# KiCad board RKD07_Assemble_BUILD.kicad_pcb (continued)
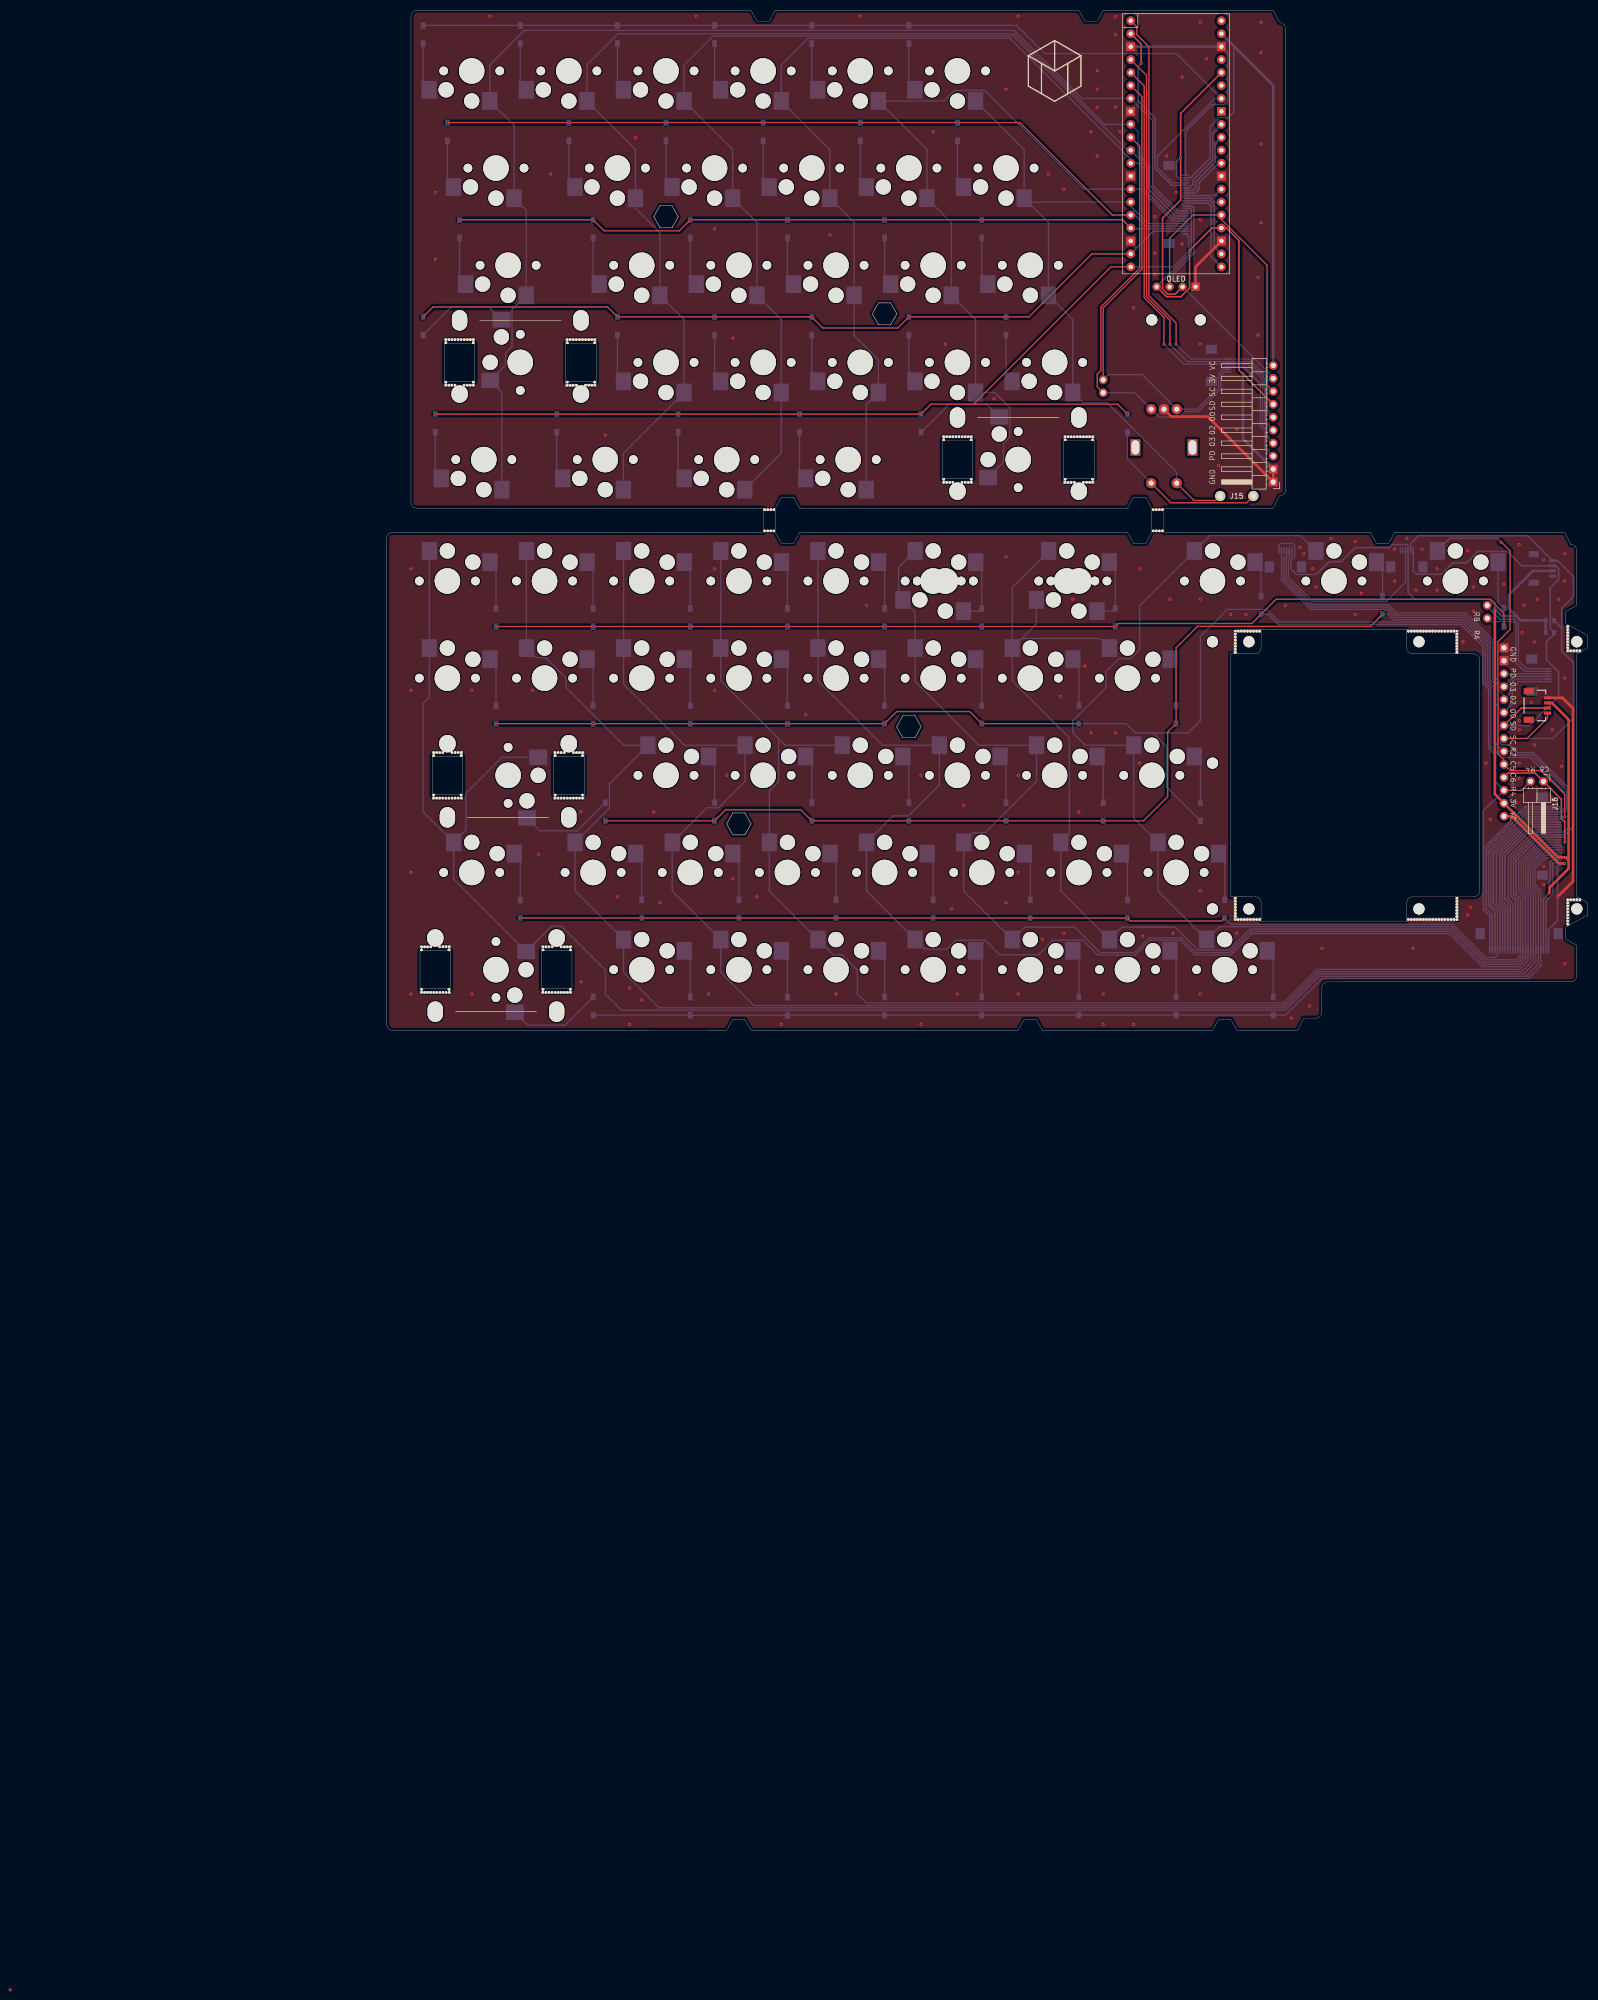
[diagram p0: board, top side]
## Footprints (pads in the part's own frame, mm; a bottom-side part is the same pattern mirrored in y, then rotated)
Diode_SMD
  rect 1.3x0.95 smd far side: 1(-1.775,0) 2(1.775,0)
Hirose_FH12-6S-0.5SH_1x06-1MP_P0.50mm_Horizontal
  rect 0.3x1.3 smd: 1(-1.25,1.85) 2(-0.75,1.85) 3(-0.25,1.85) 4(0.25,1.85) 5(0.75,1.85) 6(1.25,1.85)
  rect 1.8x2.2 smd: MP(-3.15,-1.4) MP(3.15,-1.4)
Hirose_FH12-24S-0.5SH_1x24-1MP_P0.50mm_Horizontal
  rect 0.3x1.3 smd: 1(-5.75,1.85) 2(-5.25,1.85) 3(-4.75,1.85) 4(-4.25,1.85) 5(-3.75,1.85) 6(-3.25,1.85) 7(-2.75,1.85) 8(-2.25,1.85) 9(-1.75,1.85) 10(-1.25,1.85) 11(-0.75,1.85) 12(-0.25,1.85) 13(0.25,1.85) 14(0.75,1.85) 15(1.25,1.85) 16(1.75,1.85) 17(2.25,1.85) 18(2.75,1.85) 19(3.25,1.85) 20(3.75,1.85) 21(4.25,1.85) 22(4.75,1.85) 23(5.25,1.85) 24(5.75,1.85)
  rect 1.8x2.2 smd: MP(-7.65,-1.4) MP(7.65,-1.4)
JST_SMD_1.0mm-4_Black
  rect 0.6x1.35 smd: 1(-1.5,0) 2(-0.5,0) 3(0.5,0) 4(1.5,0)
  rect 1.2x2 smd: NC1(2.8,-3.675) NC2(-2.8,-3.675)
m2_Screw_Hole
  round 2.2 hole 2.2 unplated: (0,0)
OLED_center_display
  round 1.62 hole 0.82: 1(-3.81,-18.5) 2(-1.27,-18.5) 3(1.27,-18.5)
  rect 1.62x1.62 hole 0.82: 4(3.81,-18.5)
PinHeader_1x02_P2.54mm_Horizontal
  round 1.7 hole 1: 1(0,0) 2(0,-2.54)
PinHeader_1x10_P2.54mm_Horizontal
  rect 1.7x1.7 hole 1: 1(0,0) 2(0,-2.54)
  round 1.7 hole 1: 3(0,-5.08) 4(0,-7.62) 5(0,-10.16) 6(0,-12.7) 7(0,-15.24) 8(0,-17.78) 9(0,-20.32) 10(0,-22.86)
PinHeader_1x14_P2.54mm_Horizontal
  rect 1.7x1.7 hole 1: 1(0,0) 2(0,-2.54)
  round 1.7 hole 1: 3(0,-5.08) 4(0,-7.62) 5(0,-10.16) 6(0,-12.7) 7(0,-15.24) 8(0,-17.78) 9(0,-20.32) 10(0,-22.86) 11(0,-25.4) 12(0,-27.94) 13(0,-30.48) 14(0,-33.02)
R_0603_1608Metric
  rrect 0.8x0.95 smd: 1(-0.825,0) 2(0.825,0)
ResetSW
  round 2 hole 1.3: 1(3.25,0) 2(-3.25,0)
rkd_Asm_ChocV1V2_Hotswap_1u_NM
  round 1.7 hole 1.7 unplated: (-5.5,0) (5.5,0)
  round 3 hole 3 unplated: (-5,-3.7) (0,-5.9)
  round 5 hole 5 unplated: (0,0)
  rect 3x3.5 smd far side: 1(-8.35,-3.7) 2(3.55,-5.9)
rkd_Asm_ChocV1V2_Hotswap_1u_twei0.25_A_NM
  round 1.7 hole 1.7 unplated: (-7.881,0) (-5.5,0) (3.119,0) (5.5,0)
  round 3 hole 3 unplated: (-5,-3.7) (-2.381,5.9) (0,-5.9) (2.619,3.7)
  round 5 hole 5 unplated: (-2.381,0) (0,0)
  rect 3x3.5 smd far side: 1(-8.35,-3.7) 1(-5.931,5.9) 2(3.55,-5.9) 2(5.969,3.7)
rkd_Asm_ChocV2_PCBMountStab_2u
  round 0.5 hole 0.5 unplated: (-14.603,4.452) (-14.602,-4.452) (-14.585,3.87) (-14.585,-3.87) (-14.007,4.452) (-14.007,-4.452) (-13.412,4.452) (-13.411,-4.452) (-12.816,-4.452) (-12.799,4.465) (-12.204,-4.465) (-11.609,-4.465) (-11.014,4.466) (-10.984,-4.453) (-10.389,4.464) (-10.389,-4.453) (-9.793,4.464) (-9.793,-4.453) (-9.227,3.87) (-9.227,-3.87) (-9.198,4.464) (-9.198,-4.453) (9.197,4.452) (9.197,-4.453) (9.227,3.87) (9.227,-3.87) (9.793,4.452) (9.793,-4.453) (10.388,4.452) (10.388,-4.453) (10.983,-4.453) (11.013,4.465) (11.609,-4.465) (12.204,-4.465) (12.799,4.465) (12.816,-4.453) (13.411,4.452) (13.411,-4.453) (14.007,4.452) (14.007,-4.453) (14.585,3.87) (14.585,-3.87) (14.602,4.452) (14.602,-4.453)
  oval 3.2x3.4 hole 3.2x3.4 unplated: (-11.9,6.2) (11.9,6.2)
  oval 3x4 hole 3x4 unplated: (-11.9,-8.24) (11.9,-8.24)
rkd_cutdot
  round 0.5 hole 0.5 unplated: (-0.893,0) (-0.298,0) (0.297,0) (0.893,0)
rkd_cutdot_no_edgecut
  round 0.5 hole 0.5 unplated: (-0.893,0) (-0.298,0) (0.297,0) (0.893,0)
rkd_cutdot_no_edgecut_1_2
  round 0.5 hole 0.5 unplated: (0,0)
rkd_Guard_Screw_Hall
  round 2.2 hole 2.2 unplated: (29.766,4.763) (29.766,-4.763)
rkd_RPi_Pico_TH_NODBG
  oval 1.7x1.7 hole 0.85: 1(-8.89,24.13) 2(-8.89,21.59) 4(-8.89,16.51) 5(-8.89,13.97) 6(-8.89,11.43) 7(-8.89,8.89) 9(-8.89,3.81) 10(-8.89,1.27) 11(-8.89,-1.27) 12(-8.89,-3.81) 14(-8.89,-8.89) 15(-8.89,-11.43) 16(-8.89,-13.97) 17(-8.89,-16.51) 19(-8.89,-21.59) 20(-8.89,-24.13) 21(8.89,-24.13) 22(8.89,-21.59) 24(8.89,-16.51) 25(8.89,-13.97) 26(8.89,-11.43) 27(8.89,-8.89) 29(8.89,-3.81) 30(8.89,-1.27) 31(8.89,1.27) 32(8.89,3.81) 34(8.89,8.89) 35(8.89,11.43) 36(8.89,13.97) 37(8.89,16.51) 39(8.89,21.59) 40(8.89,24.13)
  rect 1.7x1.7 hole 0.85: 3(-8.89,19.05) 8(-8.89,6.35) 13(-8.89,-6.35) 18(-8.89,-19.05) 23(8.89,-19.05) 28(8.89,-6.35) 33(8.89,6.35) 38(8.89,19.05)
RotaryEncoder_EC11-Switch
  round 2 hole 1: A(-2.5,-7.5) B(2.5,-7.5) C(0,-7.5) S1(-2.5,7) S2(2.5,7)
  rect 2x3.2 hole 1.5x2.8: MP(-5.6,0) MP(5.6,0)

## Nets
3v3_L: J2.22 J15.9 OL2.3 U1.36
3v3_R: J3.3 J4.22 J6.2 J8.6 J11.13 J12.3 J14.2 R3.1 R4.1
GND_L: J2.24 J15.1 J15.2 OL2.4 R7.2 SW30.C U1.3 U1.8 U1.13 U1.18 U1.23 U1.28 U1.38
GND_R: J3.1 J4.24 J6.1 J8.1 J11.1 J11.2 J12.4 J14.1
VCC_L: J2.23 J15.10 U1.39
VCC_R: J3.2 J4.23 J11.14
COL0_L: J2.10 SW1.2 SW2.2 SW3.2 SW4.2 SW5.2 U1.7
COL0_R: J3.15 J4.10
COL1_L: J2.9 SW6.2 SW7.2 SW8.2 SW9.2 SW10.2 U1.9
COL1_R: J3.16 J4.9
COL2_L: J2.8 SW11.2 SW12.2 SW13.2 SW14.2 SW15.2 U1.11
COL2_R: J3.17 J4.8
COL3_L: J2.7 SW16.2 SW17.2 SW18.2 SW19.2 SW20.2 U1.12
COL3_R: J3.18 J4.7
COL4_L: J2.6 SW21.2 SW22.2 SW23.2 SW24.2 SW25.2 U1.14
COL4_R: J3.19 J4.6
COL5_L: J2.5 SW26.2 SW27.2 SW28.2 SW29.2 SW30.S1 SW31.1 U1.15
COL5_R: J3.20 J4.5 J11.10 SW41.2
COL6_L: J2.13 U1.21
COL6_R: J3.12 J4.13 J11.11 J16.1 SW51.2 SW52.2 SW53.2 SW54.2 SW55.2
COL7_L: J2.14 U1.22
COL7_R: J3.11 J4.14 SW56.2 SW57.2 SW58.2 SW59.2 SW60.2
COL8_L: J2.15 U1.26
COL8_R: J3.10 J4.15 SW61.2 SW62.2 SW63.2 SW64.2 SW65.2
COL9_L: J2.16 U1.27
COL9_R: J3.9 J4.16 SW66.2 SW67.2 SW68.2 SW69.2 SW70.2
COL10_L: J2.17 U1.29
COL10_R: J3.8 J4.17 SW71.2 SW72.2 SW73.2 SW74.2 SW75.2
COL11_L: J2.18 U1.31
COL11_R: J3.7 J4.18 SW76.2 SW77.2 SW78.2 SW79.2 SW80.2
COL12_L: J2.19 U1.32
COL12_R: J3.6 J4.19 SW81.2 SW82.2 SW83.2 SW84.2 SW85.2
COL13_L: J2.20 U1.2
COL13_R: J3.5 J4.20 SW86.2 SW87.2 SW88.2 SW89.2 SW90.2
GP00_L: J7.6 J15.6 U1.1
GP00_R: J8.5 J9.1 J11.6
GP02_L: J7.5 J15.5 U1.4
GP02_R: J8.3 J9.2 J11.5
GP03_L: J7.4 J15.4 U1.5
GP03_R: J8.2 J9.3 J11.4
PD_L: J7.3 J15.3 R7.1
PD_R: J9.4 J11.3
RE_A_L: J1.2 J7.2 SW30.A U1.6
RE_A_R: J5.2 J9.5
RE_B_L: J1.1 J7.1 SW30.B U1.10
RE_B_R: J5.1 J9.6
ROW0_L: D1.1 D6.1 D11.1 D16.1 D21.1 D26.1 J2.21 U1.34
ROW0_R: D51.1 D56.1 D61.1 D66.1 D71.1 D76.1 D81.1 D86.1 J3.4 J4.21
ROW1_L: D2.1 D7.1 D12.1 D17.1 D22.1 D27.1 J2.4 U1.16
ROW1_R: D52.1 D57.1 D62.1 D67.1 D72.1 D77.1 D82.1 D87.1 J3.21 J4.4
ROW2_L: D3.1 D8.1 D13.1 D18.1 D23.1 D28.1 J2.3 U1.17
ROW2_R: D53.1 D58.1 D63.1 D68.1 D73.1 D78.1 D83.1 D88.1 J3.22 J4.3 J11.9
ROW3_L: D4.1 D9.1 D14.1 D19.1 D24.1 D29.1 J2.2 U1.19
ROW3_R: D54.1 D59.1 D64.1 D69.1 D74.1 D79.1 D84.1 D89.1 J3.23 J4.2
ROW4_L: D5.1 D10.1 D15.1 D20.1 D25.1 D30.1 J2.1 U1.20
ROW4_R: D41.1 D55.1 D60.1 D65.1 D70.1 D75.1 D80.1 D85.1 D90.1 J3.24 J4.1 J11.12 J16.2
SCL/TX_L: J2.12 J15.8 OL2.2 U1.25
SCL/TX_R: J3.13 J4.12 J6.4 J11.8 J12.2 J14.4 R3.2
SDA/SCK_L: J2.11 J15.7 OL2.1 U1.24
SDA/SCK_R: J3.14 J4.11 J6.3 J11.7 J12.1 J14.3 R4.2
Net-(D1-A): D1.2 SW1.1
Net-(D2-A): D2.2 SW2.1
Net-(D3-A): D3.2 SW3.1
Net-(D4-A): D4.2 SW4.1
Net-(D5-A): D5.2 SW5.1
Net-(D6-A): D6.2 SW6.1
Net-(D7-A): D7.2 SW7.1
Net-(D8-A): D8.2 SW8.1
Net-(D9-A): D9.2 SW9.1
Net-(D10-A): D10.2 SW10.1
Net-(D11-A): D11.2 SW11.1
Net-(D12-A): D12.2 SW12.1
Net-(D13-A): D13.2 SW13.1
Net-(D14-A): D14.2 SW14.1
Net-(D15-A): D15.2 SW15.1
Net-(D16-A): D16.2 SW16.1
Net-(D17-A): D17.2 SW17.1
Net-(D18-A): D18.2 SW18.1
Net-(D19-A): D19.2 SW19.1
Net-(D20-A): D20.2 SW20.1
Net-(D21-A): D21.2 SW21.1
Net-(D22-A): D22.2 SW22.1
Net-(D23-A): D23.2 SW23.1
Net-(D24-A): D24.2 SW24.1
Net-(D25-A): D25.2 SW25.1
Net-(D26-A): D26.2 SW26.1
Net-(D27-A): D27.2 SW27.1
Net-(D28-A): D28.2 SW28.1
Net-(D29-A): D29.2 SW29.1
Net-(D30-A): D30.2 SW30.S2 SW31.2
Net-(D41-A): D41.2 SW41.1
Net-(D51-A): D51.2 SW51.1
Net-(D52-A): D52.2 SW52.1
Net-(D53-A): D53.2 SW53.1
Net-(D54-A): D54.2 SW54.1
Net-(D55-A): D55.2 SW55.1
Net-(D56-A): D56.2 SW56.1
Net-(D57-A): D57.2 SW57.1
Net-(D58-A): D58.2 SW58.1
Net-(D59-A): D59.2 SW59.1
Net-(D60-A): D60.2 SW60.1
Net-(D61-A): D61.2 SW61.1
Net-(D62-A): D62.2 SW62.1
Net-(D63-A): D63.2 SW63.1
Net-(D64-A): D64.2 SW64.1
Net-(D65-A): D65.2 SW65.1
Net-(D66-A): D66.2 SW66.1
Net-(D67-A): D67.2 SW67.1
Net-(D68-A): D68.2 SW68.1
Net-(D69-A): D69.2 SW69.1
Net-(D70-A): D70.2 SW70.1
Net-(D71-A): D71.2 SW71.1
Net-(D72-A): D72.2 SW72.1
Net-(D73-A): D73.2 SW73.1
Net-(D74-A): D74.2 SW74.1
Net-(D75-A): D75.2 SW75.1
Net-(D76-A): D76.2 SW76.1
Net-(D77-A): D77.2 SW77.1
Net-(D78-A): D78.2 SW78.1
Net-(D79-A): D79.2 SW79.1
Net-(D80-A): D80.2 SW80.1
Net-(D81-A): D81.2 SW81.1
Net-(D82-A): D82.2 SW82.1
Net-(D83-A): D83.2 SW83.1
Net-(D84-A): D84.2 SW84.1
Net-(D85-A): D85.2 SW85.1
Net-(D86-A): D86.2 SW86.1
Net-(D87-A): D87.2 SW87.1
Net-(D88-A): D88.2 SW88.1
Net-(D89-A): D89.2 SW89.1
Net-(D90-A): D90.2 SW90.1

Pads without a net: J2 MP; J3 MP; J4 MP; J6 NC1 NC2; J7 MP; J8 4 MP; J9 MP; J12 5 6 MP; J14 NC1 NC2; SW30 MP; U1 30 33 35 37 40

## Via types
v1: diameter 0.6, hole 0.3, Top to Bottom, 227 vias

## Routing (per net, layer and track width the routed paths; a pad name or vN(x,y) marks a point on that pad's centre or on a via; arc(x,y) is an arc through that point)
3v3_L: length 83.6
  Top w0.3: OL2.3 154.61,144.37 153.12,144.37 152.13,145.36 152.13,159.26 155.67,162.8 v1(155.67,171.16) 155.67,179.81 U1.36
  Bottom w0.25: OL2.3 173.83,128.04 J15.9
  Bottom w0.3: v1(155.67,171.16) 154.83,170.32 154.83,167.54 155.69,166.68 J2.22
3v3_R: length 212.7
  Top w0.5: 231.76,33.35 231.16,33.94 229.67,33.94 J11.13 217.29,46.32 217.29,82.64 v1(217.26,82.67) ; 231.76,33.35 231.76,60.94 228.49,64.21 J14.2 ; 231.76,33.35 231.76,31.74 228,27.99 228,27 v1(227.9,26.9)
  Bottom w0.25: 184.77,91.91 182.25,89.39 178.37,89.39 177.27,90.5 177.27,92.04 178.05,92.83 178.05,95 177.55,95.5 175.38,95.5 174.96,95.08 J8.6
  Bottom w0.3: 182.29,89.43 184.77,91.91 187.16,91.91 189.9,94.66 196.56,94.66 197.15,95.26 200.03,95.26 200.28,95.01 J12.3 200.28,85.87 201.61,84.54 201.62,84.55 216.59,84.55 217.29,83.86 217.29,82.76 217.26,82.73 v1(217.26,82.67) ; J3.3 228.5,33.36 228.1,32.96 228.1,29.27 227.95,29.12 227.95,26.95 v1(227.9,26.9) 226.8,25.8 J4.22
  Bottom w0.5: R3.1 222.38,80.38 221.5,81.25 ; R3.1 R4.1 ; R3.1 227.17,80.3 ; 221.5,81.25 218.68,81.25 v1(217.26,82.67) ; 221.5,81.25 220,82.76 220,85.37 224.72,90.09 J6.2
GND_L: length 110.2
  Top w0.5: SW30.C 153.85,120.36 161,120.36 J15.1 J15.2 ; OL2.4 158.59,149.71 U1.23
  Bottom w0.3: J2.24 156.63,176.29 161.87,181.53 164.17,181.53 164.87,182.23 164.87,191.69 U1.38
  Bottom w0.5: R7.2 167.88,116.02 J15.2 ; U1.38 U1.3
  vias: v1(9.53,164.32) v1(9.53,151.22) v1(20.24,198.84) v1(32.15,167.89) v1(42.86,116.69) v1(48.82,175.03) v1(60.72,198.84) v1(64.29,157.17) v1(67.87,135.74) v1(86.92,155.98) v1(92.87,198.84) v1(107.16,176.22) v1(109.54,134.55) v1(119.06,123.83) v1(121.44,184.56) v1(123.83,198.84) v1(129.78,167.89) v1(132.75,164.91) v1(138.11,176.22) v1(139.3,188.16) v1(139.3,184.56) v1(139.3,180.98) v1(139.3,171.46) v1(142.88,198.76) v1(142.88,195.27) v1(142.88,181.06) v1(143.77,176.22) v1(146.45,141.69) v1(150.61,159.55) v1(150.61,152.41) v1(150.61,148.24) v1(152.94,171.46) v1(154.78,164.32) v1(155.97,186.94) v1(155.97,154.2) v1(159.54,197.65) v1(159.54,158.96) v1(159.54,134.55) v1(160.73,190.51) v1(163.12,110.74) v1(166.69,117.88) v1(170.85,147.65) v1(170.85,136.34) v1(171.45,197.65) v1(171.45,191.7) v1(171.45,173.84) v1(171.45,158.36)
GND_R: length 100.3
  Top w0.25: 228,65.21 J14.1 227.72,65.21
  Top w0.5: J14.1 230.55,65.21 232.61,63.15 232.61,29.23 v1(229.59,26.2)
  Bottom w0.25: J8.1 177.46,92.88 176.82,92.23 176.82,88.83 181.49,84.15 196.06,84.15 199.78,87.86 J12.4
  Bottom w0.3: J3.1 229.59,32.09 v1(229.59,26.2) 229.59,21.56 227.8,19.77 J4.24
  vias: v1(4.76,90.5) v1(4.76,66.68) v1(4.76,30.97) v1(4.76,7.15) v1(16.67,66.68) v1(16.67,7.15) v1(28.58,66.68) v1(29.77,34.54) v1(38.1,42.87) v1(38.1,9.53) v1(45.24,26.2) v1(47.63,8.34) v1(47.63,1.2) v1(50.01,5.96) v1(52.39,42.87) v1(53.58,25.01) v1(63.1,7.15) v1(64.29,90.5) v1(64.29,66.68) v1(66.68,50.02) v1(67.87,29.77) v1(72.63,26.2) v1(77.39,1.2) v1(82.15,61.92) v1(88.11,7.15) v1(94.06,83.35) v1(104.78,50.02) v1(104.78,1.2) v1(110.73,23.82) v1(111.92,7.15) v1(113.11,44.06) v1(121.44,92.88) v1(121.44,25.01) v1(123.83,50.02) v1(123.83,30.97) v1(123.83,7.15) v1(128.59,17.87) v1(132.16,65.49) v1(132.75,19.06) v1(134.54,84.54) v1(135.73,42.87) v1(136.92,71.45) v1(138.11,58.35) v1(140.49,7.15) v1(140.49,1.2) v1(142.88,58.35) v1(146.45,1.2) v1(147.64,90.5) v1(147.64,52.4) v1(148.23,18.46) v1(153.59,84.54) v1(154.19,19.06) v1(159.54,84.54) v1(159.54,27.39) v1(159.54,7.15) v1(165.5,81.57) v1(166.69,19.06) v1(168.47,81.57) v1(176.21,83.35) v1(177.4,2.39) v1(179.1,94.69) v1(179.78,93.47) v1(180.98,4.77) v1(181.57,90.5) v1(182.17,86.93) v1(183.36,16.08) v1(185.14,96.45) v1(189.9,95.85) v1(189.9,81.57) v1(191.1,85.73) v1(197.64,94.37) v1(197.64,88.12) v1(200.03,96.45) v1(201.22,16.08) v1(201.81,86.33) v1(203.02,94.33) v1(205.98,90.5) v1(205.98,86.33) v1(211.04,76.21) v1(211.93,94.07) v1(211.93,22.63) v1(212.53,24.12) v1(213.12,86.92) v1(213.12,82.16) v1(215.5,52.4) v1(216.4,41.38) v1(219.08,87.52) v1(220.86,48.23) v1(221.46,44.66) v1(222.05,95.26) v1(222.05,60.73) v1(222.05,58.95) v1(222.05,52.4) v1(222.05,49.42) v1(222.65,78) v1(222.94,83.35) v1(224.43,64.3) v1(225.03,76.21) v1(225.03,55.97) v1(225.62,84.54) v1(226.81,92.28) v1(226.81,32.16) v1(226.81,28.58) v1(228.6,58.95) v1(228.6,45.25) v1(229.79,84.54) v1(230.39,51.8) v1(230.98,93.47) v1(230.98,88.12) v1(230.98,69.07) v1(230.98,13.11)
VCC_L: length 104
  Bottom w0.3: J2.23 157.65,167.18 161.47,171 161.47,177.15 163.31,178.99 164.98,178.99 166.09,180.09 166.09,193.02 U1.39
  Bottom w0.5: J15.10 173.83,185.27 U1.39
VCC_R: length 35.8
  Top w0.5: 230.98,32.8 230.97,32.8 230.95,32.78 v1(230.93,32.78) 230.93,32.78 230.93,32.8 230.89,32.75 229.87,32.75 220.62,42 J11.14
  Bottom w0.3: v1(230.93,32.78) 230.93,32.78 230.93,32.8 230.87,32.86 J3.2 228.71,32.86 228.6,32.75 228.6,26.68 227.3,25.38 J4.23
(no net):
  vias: v1(-73.82,-188.11)
COL0_L: length 251.5
  Bottom w0.25: J2.10 155.18,160.68 150.17,165.69 150.17,178.45 U1.7 136.37,182.73 123.03,196.07 26.99,196.07 20.22,189.29 SW1.2 24.98,177.47 SW2.2 27.36,160.8 SW3.2 24.57,141.34 24.57,134.12 23.32,132.86 23.32,130.45 SW4.2 22.6,125.12 SW5.2
COL0_R: length 30.9
  Bottom w0.25: J3.15 225.34,39.36 219.95,33.97 219.95,26.11 219.76,25.92 220.8,24.89 J4.10
COL1_L: length 236
  Bottom w0.25: SW10.2 46.41,113.17 SW9.2 58.32,139.37 SW8.2 53.56,156.42 48.79,161.18 SW7.2 48.79,172.7 SW6.2 39.27,189.3 45.39,195.42 123.04,195.42 140.81,177.65 U1.9 ; J2.9 155.04,160.18 149.6,165.63 149.6,169.53 147.34,171.8 147.34,176.2 U1.9 ; U1.9 146.28,178.04
COL1_R: length 31.9
  Bottom w0.3: J3.16 224.88,39.86 219.26,34.24 219.26,25.72 220.3,24.68 J4.9
COL2_L: length 212.4
  Bottom w0.25: 145.89,173.21 U1.11 145.25,172.57 122.86,194.97 63.99,194.97 58.32,189.3 SW11.2 67.84,172.7 SW12.2 72.61,158.42 SW13.2 77.37,139.37 SW14.2 77.37,113.17 SW15.2
  Bottom w0.3: U1.11 149.13,169.34 149.13,165.21 154.65,159.68 J2.8
COL2_R: length 32.7
  Bottom w0.3: J4.8 219.8,24.33 218.76,25.37 218.76,34.45 224.67,40.36 J3.17
COL3_L: length 191.7
  Bottom w0.25: 145.89,170.67 U1.12 145.89,170.82 122.2,194.51 82.58,194.51 77.37,189.3 SW16.2 86.89,172.7 SW17.2 91.66,158.42 SW18.2 91.66,136.26 96.42,131.5 SW19.2 94.04,122.7 SW20.2
  Bottom w0.3: J2.7 154.26,159.18 148.53,164.91 148.53,169.08 147.58,170.03 U1.12
COL3_R: length 33.5
  Bottom w0.3: J4.7 219.3,24.12 218.26,25.16 218.26,34.66 224.46,40.86 J3.18
COL4_L: length 160.2
  Bottom w0.25: SW25.2 120.95,111.4 120.95,115.1 122.2,116.35 122.2,122.1 119.23,125.08 SW24.2 115.47,139.37 SW23.2 110.71,158.42 SW22.2 105.94,172.7 SW21.2 109.27,182.23 111.34,184.3 117.29,184.3 136.65,164.95 U1.14 147.82,164.95 154.08,158.68 J2.6
COL4_R: length 34.5
  Bottom w0.3: 218.8,23.91 J4.6 ; J3.19 224.25,41.36 217.59,34.69 217.59,25.13 218.8,23.91
COL5_L: length 138.7
  Top w0.25: SW31.1 162.56,103.91 158.3,103.91 SW30.S1
  Bottom w0.25: SW27.2 129.76,158.42 SW28.2 134.52,139.37 SW29.2 136.52,123.08 141.28,123.08 154.9,109.46 SW30.S1 155.04,107.17 ; SW27.2 124.99,172.7 SW26.2 ; SW27.2 125.76,162.41 U1.15 145.89,161.6 149.3,158.18 J2.5
COL5_R: length 115.7
  Top w0.25: J11.10 219.08,53.04 217.9,54.21 217.9,67.89 217.88,67.9 217.88,76.21 220.27,78.59 220.27,94.04 218.54,95.77 218.52,95.77 v1(218.48,95.72) ; J11.10 220.29,50.94 226.36,50.94 230.98,46.32 v1(230.98,41.86) ; J11.10 219.08,51.5
  Bottom w0.3: J4.5 218.3,23.7 216.99,25.01 216.99,34.81 224.05,41.86 J3.20 v1(230.98,41.86) ; v1(218.48,95.72) 217.71,96.49 208.47,96.49 SW41.2
COL6_L: length 18
  Bottom w0.3: U1.21 161.63,151.75 161.63,161.64 161.08,162.18 J2.13
COL6_R: length 249.5
  Top w0.3: J11.11 219.93,50.47 225.17,50.47 J16.1 230.33,45.31 230.33,41.59 230.98,40.94 230.98,36.94 v1(231,36.92)
  Bottom w0.25: J4.13 222.3,14.77 221.38,13.85 215.4,13.85 208.9,20.35 163.31,20.35 160.78,17.82 SW51.2 151.23,27.34 SW52.2 146.47,41.63 SW54.2 136.97,55.92 134.54,58.35 134.54,60.73 141.03,67.22 141.03,70.39 143.53,72.89 145.83,72.89 147.64,74.69 147.64,83.28 SW55.2 161.37,97.01 179.19,97.01 SW53.2
  Bottom w0.3: J4.13 222.3,25.88 221.46,26.73 221.46,33.35 225.97,37.86 J3.12 230.93,37.86 231,37.79 v1(231,36.92)
COL7_L: length 16.1
  Bottom w0.3: J2.14 161.36,162.68 162.22,161.82 162.22,153.7 U1.22
COL7_R: length 237.8
  Bottom w0.25: SW59.2 122.66,86.87 SW60.2 ; SW59.2 122.66,68.55 133.84,57.36 133.84,38.53 SW57.2 132.18,27.34 SW56.2 144.14,20.25 154.58,20.25 158.93,15.9 158.93,15.74 165.15,15.74 169.31,19.9 208.71,19.9 215.21,13.4 221.56,13.4 222.8,14.63 J4.14 222.8,26.35 221.97,27.18 221.97,33.01 226.32,37.36 J3.11 ; SW59.2 127.38,79.69 SW60.2 ; SW59.2 124.53,76.84 139.83,76.84 SW58.2
COL8_L: length 7.4
  Bottom w0.3: U1.26 162.34,162.41 161.57,163.18 J2.15
COL8_R: length 245.7
  Bottom w0.25: J3.10 226.46,36.86 222.42,32.83 222.42,27.36 223.3,26.48 J4.15 223.3,14.49 221.75,12.94 215.03,12.94 208.53,19.45 169.51,19.45 165.31,15.24 158.69,15.24 155.79,18.14 149.49,18.14 146.59,15.24 139.9,15.24 134.89,20.25 125.09,20.25 SW61.2 113.13,27.34 SW62.2 115.01,38.74 117.31,38.74 127.42,48.85 SW63.2 116.14,55.92 103.61,68.45 SW64.2 103.61,82 SW65.2 100.87,84.42 100.38,84.9 100.38,90.79 SW65.2
COL9_L: length 7.6
  Bottom w0.3: J2.16 162.41,163.68 U1.27
COL9_R: length 264.3
  Bottom w0.25: J3.9 226.59,36.36 222.87,32.64 222.87,27.55 223.8,26.62 J4.16 223.8,14.36 221.94,12.49 214.84,12.49 208.34,19 169.7,19 165.5,14.79 158.5,14.79 155.6,17.69 149.68,17.69 146.78,14.79 139.4,14.79 136.5,17.69 130.63,17.69 127.78,14.84 120.19,14.84 117.33,17.69 111.58,17.69 109.83,15.94 105.48,15.94 SW66.2 94.08,27.34 SW67.2 99.29,42.07 102.29,42.07 108.37,48.15 SW68.2 97.19,55.92 84.56,68.55 SW69.2 SW70.2
COL10_L: length 10.2
  Bottom w0.3: J2.17 158.52,164.18 159.25,164.91 159.25,166.15 163.13,170.03 U1.29
COL10_R: length 276.6
  Bottom w0.25: J3.8 226.73,35.86 223.32,32.45 223.32,27.74 224.3,26.76 J4.17 224.3,14.17 222.1,11.96 182.35,11.96 175.75,5.37 94.06,5.37 92.27,7.15 92.27,11.82 89.3,14.79 87.58,14.79 SW71.2 75.03,27.34 SW72.2 75.03,46.96 76.85,48.78 76.85,57.21 ; 76.85,57.21 78.14,55.92 SW73.2 89.24,55.92 ; 76.85,57.21 65.51,68.55 SW74.2 SW75.2
COL11_L: length 14.2
  Bottom w0.3: U1.31 162.47,173.91 162.47,170.22 158.65,166.4 158.65,165.21 158.13,164.68 J2.18
COL11_R: length 302.6
  Bottom w0.25: SW80.2 SW79.2 46.46,67.86 58.4,55.92 SW78.2 70.27,48.84 65.09,43.67 62.79,43.67 SW77.2 55.98,27.34 SW76.2 65.51,11.4 72.03,4.87 175.9,4.87 182.54,11.51 222.54,11.51 224.8,13.77 J4.18
  Bottom w0.3: J4.18 224.8,27.03 223.8,28.03 223.8,32.26 226.9,35.36 J3.7
COL12_L: length 15.9
  Bottom w0.3: J2.19 157.44,165.18 158.06,165.8 158.06,166.7 161.97,170.61 161.97,175.95 U1.32
COL12_R: length 319.1
  Bottom w0.25: J3.6 227.08,34.86 224.28,32.06 224.28,28.29 225.3,27.26 J4.19 225.3,13.44 222.92,11.06 182.72,11.06 176.08,4.42 53.43,4.42 46.46,11.4 SW81.2 36.93,27.34 SW82.2 43.66,43.6 43.66,48.36 SW83.2 46.49,55.92 35.18,67.22 35.18,69.07 31.16,73.09 29.28,73.09 SW84.2 SW85.2 27.33,94.02 26.19,92.88
COL13_L: length 36.3
  Top w0.3: v1(147.94,189.62) 147.94,193.39 U1.2
  Bottom w0.3: v1(147.94,189.62) 147.34,189.02 147.34,182.18 150.61,178.9 150.61,178.68 150.65,178.65 150.65,168.98 153.94,165.68 J2.20
COL13_R: length 354.5
  Bottom w0.25: J3.5 227.22,34.36 224.73,31.87 224.73,28.47 225.8,27.4 J4.20 225.8,12.99 223.43,10.61 182.91,10.61 176.27,3.97 46.04,3.97 42.86,7.15 42.86,11.83 34.25,20.44 32.31,20.44 SW86.2 13.12,29.68 SW87.2 ; SW87.2 7.14,42.84 7.14,64.1 8.36,65.31 SW89.2 SW90.2 ; SW87.2 15.54,39.29 15.54,46.5 22.6,53.57 SW88.2
GP00_L: length 96.2
  Top w0.25: v1(154.78,134.55) 154.78,138.72 149.44,144.06 149.44,192.9 147.07,195.27 147.07,196.79 U1.1
  Bottom w0.25: 146.13,197.97 U1.1 ; J15.6 172.64,121.41 172.64,128.09 169.09,131.63 J7.6 157.7,131.63 v1(154.78,134.55)
GP00_R: length 79.7
  Bottom w0.25: 175.44,94.11 J8.5 175.46,88.27 181.18,82.55 196.06,82.55 197.64,80.97 211.25,80.97 216.34,75.88 216.34,68.78 217.45,67.67 217.45,63.95 J11.6 220.7,63.95 220.7,67.12 221.99,68.41 J9.1
GP02_L: length 92.1
  Top w0.25: U1.4 148.99,187.25 148.99,143.87 153.59,139.27 v1(153.59,134.55)
  Bottom w0.25: v1(153.59,134.55) 157.01,131.13 J7.5 168.96,131.13 172.19,127.9 172.19,119.32 J15.5 ; 146.53,190.35 U1.4 145.73,190.51
GP02_R: length 75.5
  Bottom w0.25: J9.2 221.3,68.91 220.25,67.86 220.25,66.03 J11.5 219.08,65.74 217.9,66.91 217.9,67.86 216.79,68.97 216.79,76.07 211.44,81.42 197.83,81.42 196.25,83.01 181.37,83.01 175.91,88.46 175.91,92.63 176.46,93.18 J8.3
GP03_L: length 91.6
  Top w0.25: U1.5 148.54,185.16 148.54,143.68 152.4,139.82 v1(152.4,134.55)
  Bottom w0.25: v1(152.4,134.55) 156.32,130.63 J7.4 168.82,130.63 171.74,127.71 171.74,118.54 172.64,117.64 172.64,116.33 J15.4
GP03_R: length 71.4
  Bottom w0.25: 176.94,93.6 176.96,93.63 J8.2 176.96,93.04 176.36,92.44 176.36,88.64 181.55,83.46 196.44,83.46 198.02,81.88 211.62,81.88 217.25,76.25 217.25,69.22 J11.4 221.09,69.41 J9.3
PD_L: length 23
  Bottom w0.25: J7.3 167.99,130.13 R7.1 171.29,126.84 171.29,118.36 172.19,117.45 172.19,114.24 J15.3
PD_R: length 8.7
  Bottom w0.25: J9.4 219.1,69.91 J11.3
RE_A_L: length 94.3
  Top w0.25: U1.6 148.09,183.07 148.09,149.26 140.49,141.67 J1.2
  Bottom w0.25: J7.2 164.01,129.63 163.14,128.76 163.14,126.01 158.94,121.81 SW30.A 148.11,128.6 141.53,128.6 J1.2
RE_A_R: length 20.7
  Bottom w0.25: J5.2 216.44,80.17 220.88,80.17 221.46,79.59 221.46,72.04 223.09,70.41 J9.5
RE_B_L: length 87.1
  Top w0.25: U1.10 147.64,173.36 147.64,149.45 140.04,141.85 140.04,129.38 139.32,128.65 139.32,126.2 J1.1 140.49,125.62
  Bottom w0.25: J7.1 164.15,129.13 163.59,128.57 163.59,125.82 159.13,121.36 156.47,121.36 155.38,120.26 151.45,120.26 SW30.B 146.68,125.02 J1.1
RE_B_R: length 21.6
  Bottom w0.25: J5.1 215.8,83.05 218.22,80.63 221.06,80.63 221.91,79.78 221.91,72.48 223.48,70.91 J9.6
ROW0_L: length 188.7
  Bottom w0.25: J2.21 154.13,166.18 151.12,169.19 151.12,171.45 162.4,182.73 U1.34 154.88,191.53 129.03,191.53 123.51,197.05 D26.1 D21.1 D16.1 D11.1 D6.1 D1.1
ROW0_R: length 214.9
  Bottom w0.25: J3.4 227.35,33.86 225.18,31.69 225.18,28.66 226.3,27.54 J4.21 226.3,12.64 223.82,10.16 183.39,10.16 176.22,3 D51.1 D56.1 D61.1 D66.1 D71.1 78.63,3 D76.1 59.58,2.95 D81.1 D86.1
ROW1_L: length 153.1
  Top w0.25: U1.16 142.27,159.87 124.14,178 v1(111.92,178) v1(92.87,178) v1(73.82,178) v1(54.77,178) v1(35.72,178) v1(11.91,178)
  Bottom w0.25: U1.16 146.72,159.87 148.91,157.68 J2.4
ROW1_R: length 232.7
  Top w0.25: v1(164.31,22.05) 163.7,21.44 145.86,21.44 v1(145.26,22.05) v1(126.21,22.05) v1(107.16,22.05) v1(88.11,22.05) v1(69.06,22.05) v1(50.01,22.05) 26.2,22.05 26.19,22.04
  Bottom w0.25: J3.21 223.87,42.36 216.52,35 216.52,24.67 217.8,23.39 J4.4 217.8,14.77 217.33,14.3 215.59,14.3 209.09,20.8 165.55,20.8 v1(164.31,22.05)
  vias: v1(26.19,22.05)
ROW2_L: length 144.9
  Top w0.25: U1.17 144.27,158.95 v1(116.68,158.95) v1(97.63,158.95) v1(78.58,158.95) v1(59.53,158.95) 57.36,156.78 42.65,156.78 v1(40.48,158.95) v1(14.29,158.95)
  Bottom w0.25: J2.3 146.04,157.18 U1.17
ROW2_R: length 290.6
  Top w0.25: v1(42.86,41.1) v1(64.29,41.1) 66.46,43.27 81.17,43.27 v1(83.34,41.1) v1(102.39,41.1) v1(121.44,41.1) v1(140.49,41.1) 148.4,41.1 153.14,45.84 153.14,58.51 v1(154.78,60.15) 154.78,75.02 158.98,79.22 192.9,79.22 v1(195.26,81.58)
  Bottom w0.25: v1(195.26,81.58) 196.4,81.58 197.46,80.52 211.06,80.52 215.89,75.69 215.89,68.47 217,67.36 217,56.78 J11.9 220.35,54.7 221.07,53.97 224.56,53.97 231.4,47.14 231.4,43.32 230.99,42.91 230.9,42.91 230.94,42.86 J3.22
  Bottom w0.3: J3.22 223.7,42.86 216.04,35.2 216.04,24.48 217.3,23.21 J4.3
ROW3_L: length 159.9
  Top w0.25: U1.19 138.27,152.25 125.92,139.9 v1(121.44,139.9) v1(102.39,139.9) 100.22,137.73 85.51,137.73 v1(83.34,139.9) v1(64.29,139.9) v1(45.24,139.9) 43.3,141.84 9.09,141.84 v1(7.14,139.9)
  Bottom w0.3: U1.19 150.33,156.68 J2.2
ROW3_R: length 321.2
  Top w0.25: v1(21.43,60.15) v1(40.48,60.15) v1(59.53,60.15) v1(78.58,60.15) v1(97.63,60.15) 100,62.52 114.31,62.52 v1(116.68,60.15) v1(135.73,60.15)
  Bottom w0.25: J3.23 230.81,43.36 230.95,43.5 230.95,46.75 224.18,53.52 218.59,53.52 216.55,55.56 216.55,67.18 215.44,68.28 215.44,75.51 210.88,80.07 175.01,80.07 172.53,82.55 164.86,82.55 159.54,77.24 159.54,60.73 157.16,58.35 150.24,58.35 ; 150.24,58.35 152.89,55.69 152.89,47.75 D54.1 ; 150.24,58.35 146.78,58.35 144.99,60.15 v1(135.73,60.15)
  Bottom w0.3: J4.2 216.8,22.64 215.54,23.9 215.54,35.47 223.43,43.36 J3.23
ROW4_L: length 195.6
  Top w0.25: 115.1,122.79 106.72,122.79 v1(104.78,120.85) v1(80.96,120.85) v1(57.15,120.85) v1(33.34,120.85) v1(9.53,120.85) ; 115.1,122.79 143.31,122.79 v1(145.26,120.85) ; 115.1,122.79 142.01,149.71 U1.20
  Bottom w0.25: J2.1 157.28,155.53 157.28,152.8 154.19,149.71 U1.20
ROW4_R: length 337.3
  Top w0.25: v1(21.43,79.2) v1(40.48,79.2) v1(59.53,79.2) v1(78.58,79.2) v1(97.63,79.2) v1(116.68,79.2) v1(142.87,79.2) 143.46,79.78 169.65,79.78 v1(171.45,81.58) 174.42,84.54 216.27,84.54 219.08,81.74 v1(219.08,79.2) ; J16.2 222.53,47.08 J11.12
  Bottom w0.3: 215.04,35.67 215.04,43.04 J11.12 217.42,48.73 217.42,54.01 216.07,55.37 216.07,66.98 214.96,68.09 214.96,75.26 210.63,79.6 174.81,79.6 172.83,81.58 v1(171.45,81.58) ; 215.04,35.67 223.22,43.86 J3.24 ; 215.04,35.67 215.04,23.69 216.3,22.43 J4.1
SCL/TX_L: length 80
  Top w0.25: OL2.2 153.51,155.31 158.08,159.87 U1.25 163.67,159 172.64,150.03 172.64,126.49 J15.8
  Bottom w0.25: OL2.2 153.51,146.29
  Bottom w0.3: OL2.2 153.51,147.65 158.26,152.39 158.26,161.25 157.82,161.68 J2.12
SCL/TX_R: length 149.2
  Top w0.25: J11.8 223.61,57.24 227.61,61.24 J14.4
  Bottom w0.25: J11.8 228.68,57.24 232.71,61.27
  Bottom w0.3: 230.39,78.89 230.39,74.42 232.71,72.1 232.71,40.02 231.05,38.36 J3.13 225.76,38.36 220.96,33.55 220.96,26.52 221.8,25.67 J4.12 ; 230.39,78.89 R3.2 ; 230.39,78.89 230.39,82.76 232.71,85.08 232.71,88.96 229.58,92.09 J6.4 223.7,96.99 202.35,96.99 200.78,95.41 J12.2
SDA/SCK_L: length 82.5
  Top w0.3: U1.24 164.66,157.33 167.1,154.89 167.1,129.49 J15.7 ; U1.24 163.67,157.81 ; U1.24 161.8,157.33 157.43,152.96 157.43,145.55 155.73,143.86 152.93,143.86 OL2.1
  Bottom w0.3: OL2.1 157.76,152.6 157.76,161.04 157.61,161.18 J2.11
SDA/SCK_R: length 147.7
  Top w0.3: J11.7 222.5,63.21 J14.3
  Bottom w0.3: J12.1 201.28,90.08 201.92,89.43 206.76,89.43 209.02,91.69 211.73,91.69 213.96,93.92 219.75,93.92 222.58,91.09 J6.3 229.28,91.09 229.79,90.58 229.79,88.41 228.15,86.77 228.15,78.75 R4.2 ; 228.9,77.7 227.41,76.21 227.41,72.64 229.79,70.26 229.79,65.49 224.08,59.78 J11.7 217.87,58.58 217.87,56.74 218.65,55.97 220.27,55.97 221.78,54.45 224.76,54.45 231.88,47.33 231.88,39.9 230.84,38.86 J3.14 225.55,38.86 220.45,33.76 220.45,26.31 221.3,25.47 J4.11
Net-(D1-A): length 9.6
  Bottom w0.25: D1.2 7.14,185.6 SW1.1
Net-(D2-A): length 9.6
  Bottom w0.25: D2.2 11.91,166.55 SW2.1
Net-(D3-A): length 9.6
  Bottom w0.25: SW3.1 14.29,147.5 D3.2
Net-(D4-A): length 18.7
  Bottom w0.25: SW4.1 19.98,141.84 12.64,141.84 D4.2
Net-(D5-A): length 9.6
  Bottom w0.25: SW5.1 9.53,109.4 D5.2
Net-(D6-A): length 9.6
  Bottom w0.25: D6.2 26.19,185.6 SW6.1
Net-(D7-A): length 9.6
  Bottom w0.25: SW7.1 35.72,166.55 D7.2
Net-(D8-A): length 9.6
  Bottom w0.25: SW8.1 40.48,147.5 D8.2
Net-(D9-A): length 9.6
  Bottom w0.25: D9.2 45.24,128.45 SW9.1
Net-(D10-A): length 9.6
  Bottom w0.25: SW10.1 33.34,109.4 D10.2
Net-(D11-A): length 9.6
  Bottom w0.25: SW11.1 45.24,185.6 D11.2
Net-(D12-A): length 9.6
  Bottom w0.25: SW12.1 54.77,166.55 D12.2
Net-(D13-A): length 9.6
  Bottom w0.25: SW13.1 59.53,147.5 D13.2
Net-(D14-A): length 9.6
  Bottom w0.25: D14.2 64.29,128.45 SW14.1
Net-(D15-A): length 9.6
  Bottom w0.25: SW15.1 57.15,109.4 D15.2
Net-(D16-A): length 9.6
  Bottom w0.25: D16.2 64.29,185.6 SW16.1
Net-(D17-A): length 9.6
  Bottom w0.25: SW17.1 73.82,166.55 D17.2
Net-(D18-A): length 9.6
  Bottom w0.25: SW18.1 78.58,147.5 D18.2
Net-(D19-A): length 9.6
  Bottom w0.25: D19.2 83.34,128.45 SW19.1
Net-(D20-A): length 9.6
  Bottom w0.25: D20.2 80.96,109.4 SW20.1
Net-(D21-A): length 9.6
  Bottom w0.25: SW21.1 83.34,185.6 D21.2
Net-(D22-A): length 9.6
  Bottom w0.25: D22.2 92.87,166.55 SW22.1
Net-(D23-A): length 9.6
  Bottom w0.25: SW23.1 97.63,147.5 D23.2
Net-(D24-A): length 9.6
  Bottom w0.25: SW24.1 102.39,128.45 D24.2
Net-(D25-A): length 18.7
  Bottom w0.25: SW25.1 117.61,122.79 110.27,122.79 D25.2
Net-(D26-A): length 9.6
  Bottom w0.25: D26.2 102.39,185.6 SW26.1
Net-(D27-A): length 9.6
  Bottom w0.25: D27.2 111.92,166.55 SW27.1
Net-(D28-A): length 9.6
  Bottom w0.25: SW28.1 116.68,147.5 D28.2
Net-(D29-A): length 9.6
  Bottom w0.25: SW29.1 121.44,128.45 D29.2
Net-(D30-A): length 34.1
  Top w0.25: SW31.2 168.61,103.46 153.75,103.46 SW30.S2
  Bottom w0.25: D30.2 145.26,111.95 SW30.S2
Net-(D41-A): length 9.6
  Bottom w0.25: SW41.1 217.9,83.92 D41.2
Net-(D51-A): length 9.6
  Bottom w0.25: D51.2 173.83,14.44 SW51.1
Net-(D52-A): length 9.6
  Bottom w0.25: D52.2 164.31,33.49 SW52.1
Net-(D53-A): length 7.2
  Bottom w0.25: SW53.1 195.26,90.64 D53.2
Net-(D54-A): length 9.6
  Bottom w0.25: D54.2 159.54,52.54 SW54.1
Net-(D55-A): length 7.2
  Bottom w0.25: SW55.1 171.45,90.64 D55.2
Net-(D56-A): length 9.6
  Bottom w0.25: SW56.1 154.78,14.44 D56.2
Net-(D57-A): length 9.6
  Bottom w0.25: SW57.1 145.26,33.49 D57.2
Net-(D58-A): length 9.6
  Bottom w0.25: SW58.1 154.78,71.59 D58.2
Net-(D59-A): length 9.6
  Bottom w0.25: D59.2 135.73,71.59 SW59.1
Net-(D60-A): length 13.4
  Bottom w0.25: SW60.1 142.34,82.22 D60.2 142.88,90.64 SW60.1
Net-(D61-A): length 9.6
  Bottom w0.25: D61.2 135.73,14.44 SW61.1
Net-(D62-A): length 9.6
  Bottom w0.25: SW62.1 126.21,33.49 D62.2
Net-(D63-A): length 9.6
  Bottom w0.25: D63.2 140.49,52.54 SW63.1
Net-(D64-A): length 9.6
  Bottom w0.25: SW64.1 116.68,71.59 D64.2
Net-(D65-A): length 13.4
  Bottom w0.25: SW65.1 116.68,90.64 D65.2 116.15,82.22 SW65.1
Net-(D66-A): length 9.6
  Bottom w0.25: D66.2 116.68,14.44 SW66.1
Net-(D67-A): length 9.6
  Bottom w0.25: SW67.1 107.16,33.49 D67.2
Net-(D68-A): length 9.6
  Bottom w0.25: D68.2 121.44,52.54 SW68.1
Net-(D69-A): length 9.6
  Bottom w0.25: SW69.1 97.63,71.59 D69.2
Net-(D70-A): length 9.6
  Bottom w0.25: SW70.1 97.63,90.64 D70.2
Net-(D71-A): length 9.6
  Bottom w0.25: SW71.1 97.63,14.44 D71.2
Net-(D72-A): length 9.6
  Bottom w0.25: SW72.1 88.11,33.49 D72.2
Net-(D73-A): length 9.6
  Bottom w0.25: D73.2 102.39,52.54 SW73.1
Net-(D74-A): length 9.6
  Bottom w0.25: D74.2 78.58,71.59 SW74.1
Net-(D75-A): length 9.6
  Bottom w0.25: SW75.1 78.58,90.64 D75.2
Net-(D76-A): length 9.6
  Bottom w0.25: D76.2 78.58,14.44 SW76.1
Net-(D77-A): length 9.6
  Bottom w0.25: SW77.1 69.06,33.49 D77.2
Net-(D78-A): length 9.6
  Bottom w0.25: SW78.1 83.34,52.54 D78.2
Net-(D79-A): length 9.6
  Bottom w0.25: SW79.1 59.53,71.59 D79.2
Net-(D80-A): length 9.6
  Bottom w0.25: D80.2 59.53,90.64 SW80.1
Net-(D81-A): length 9.6
  Bottom w0.25: SW81.1 59.53,14.44 D81.2
Net-(D82-A): length 9.6
  Bottom w0.25: SW82.1 50.01,33.49 D82.2
Net-(D83-A): length 9.6
  Bottom w0.25: D83.2 64.29,52.54 SW83.1
Net-(D84-A): length 9.6
  Bottom w0.25: D84.2 40.48,71.59 SW84.1
Net-(D85-A): length 9.6
  Bottom w0.25: D85.2 40.48,90.64 SW85.1
Net-(D86-A): length 18.7
  Bottom w0.25: D86.2 34.98,1.05 27.65,1.05 SW86.1
Net-(D87-A): length 9.6
  Bottom w0.25: SW87.1 26.19,33.49 D87.2
Net-(D88-A): length 18.7
  Bottom w0.25: SW88.1 30.03,39.15 37.37,39.15 D88.2
Net-(D89-A): length 9.6
  Bottom w0.25: SW89.1 21.43,71.59 D89.2
Net-(D90-A): length 9.6
  Bottom w0.25: D90.2 21.43,90.64 SW90.1

## Copper pours and planes (outline as drawn; the poured copper is in the pictures)
GND_L on Top, Bottom: 4.76,200.03 4.76,102.4 176.21,102.4 176.21,200.03
GND_R on Top, Bottom: 0,97.64 0,0.01 233.36,0.01 233.36,97.64

## Text on the board
B.Silkscreen: RE_B | RE_A | GND / VCC / 3V3 | RKD07_Asm_v2.0 | Nogikesu_TB | 3V3 / 03 CS / X / 02 TX / 00 SCK / GND | GND / 3V3 / SCL / SDA | RB | RA | Nogikesu | RabitTP | Qwiic
User.Comments: Pico | OLED | PointAnother | Picot5400 | Unified
F.Silkscreen: RB | RA | 02 00 | SD SC | 3V VC | R2 C5 | C6 R4 | PD 03 | GND
